# Altium PCB PCB1.PcbDoc
Units mil, origin at the board's own origin, x right, y up, seen from the top; angles counter-clockwise.
Board outline 6000 x 4000 mil, 2 copper layers (Top Layer, Bottom Layer); 8 components, 13 nets, 79 pads, 18 vias.
Unrouted connection lines stored in the file: 6.
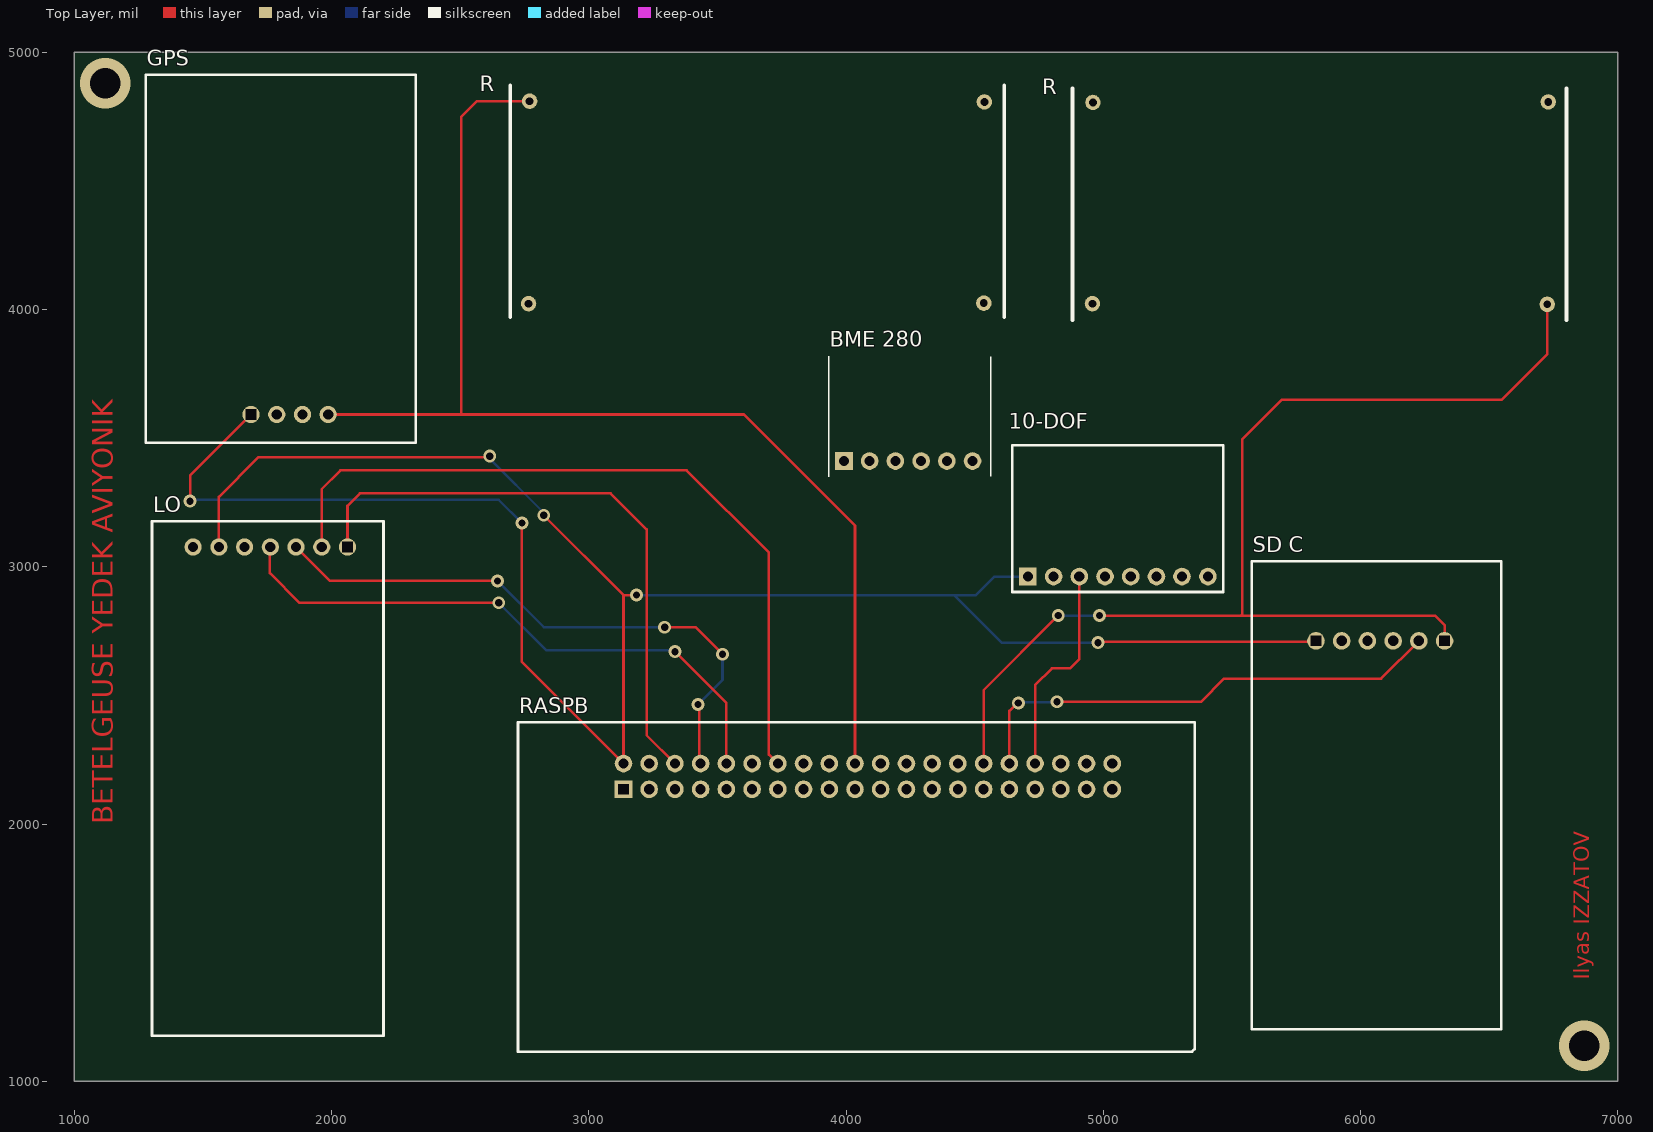
[diagram p0: Top Layer view]
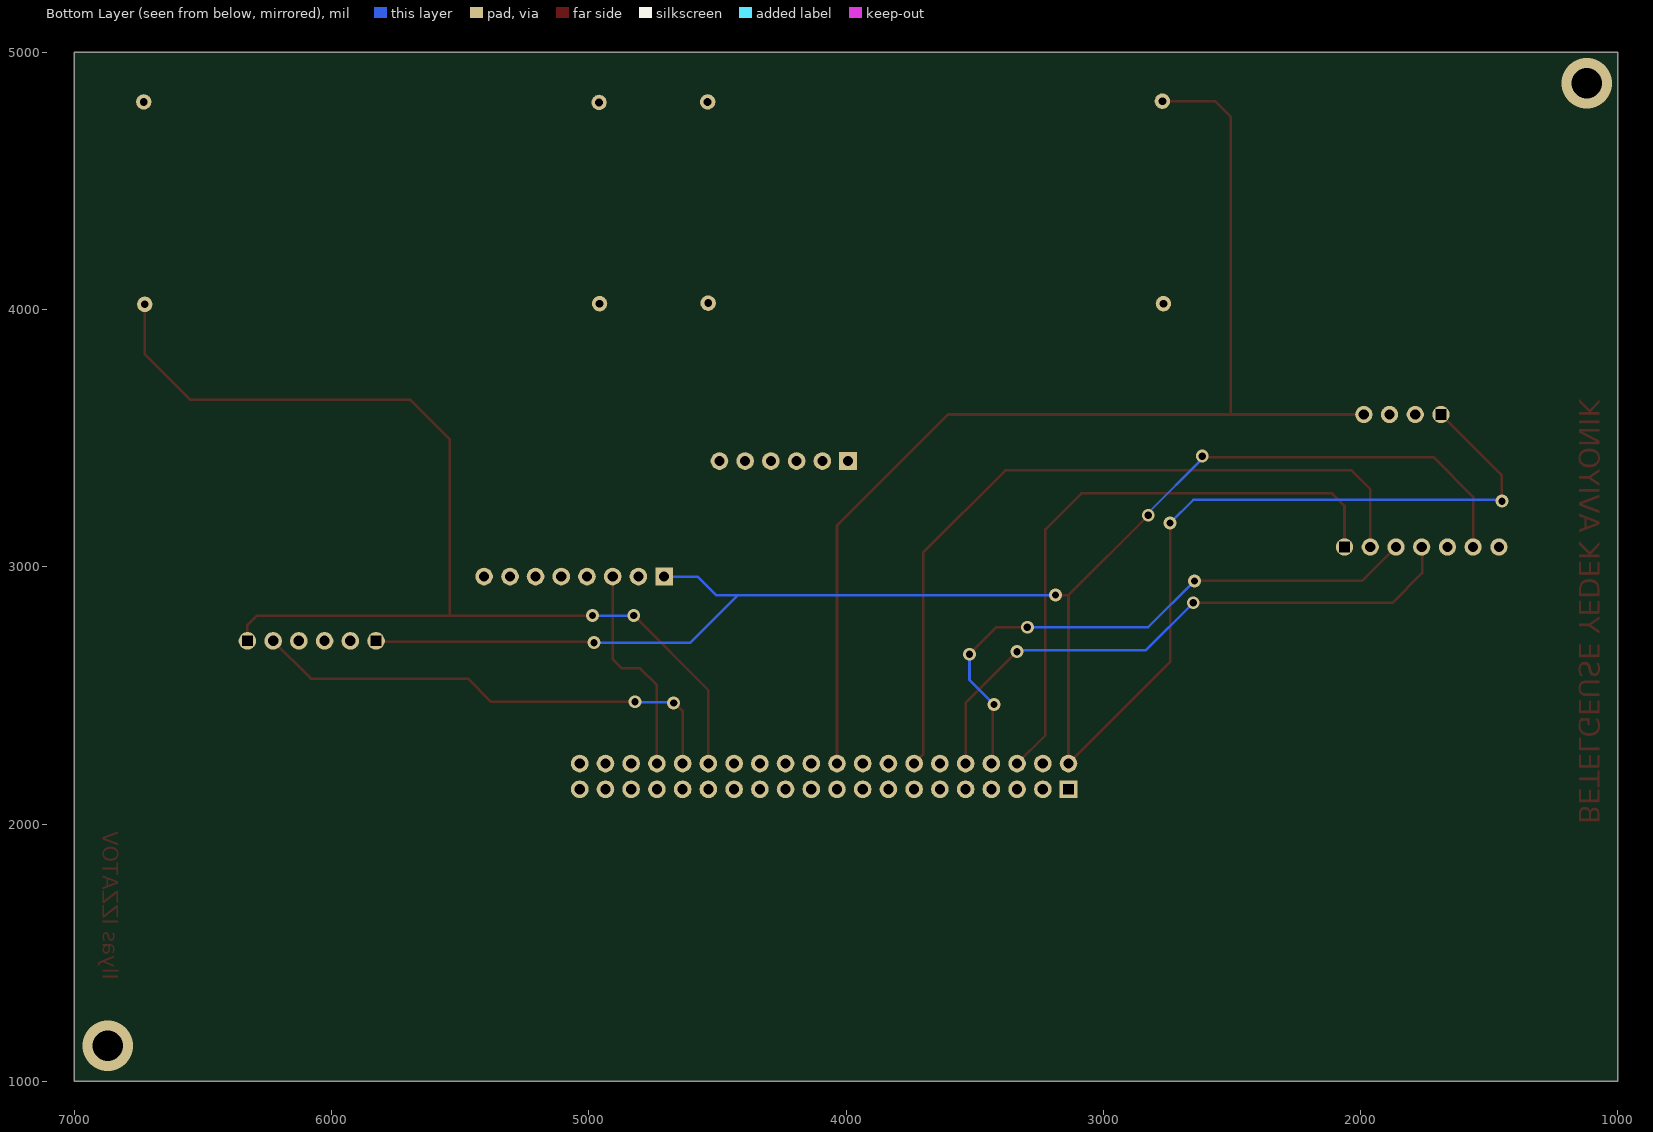
[diagram p1: Bottom Layer view, seen from below]

## Layer stack, top to bottom
Top Solder: solder mask 0.4, Solder Resist, Dk 3.5
Top Layer: signal copper 1.4
Dielectric 1: dielectric 12.6, FR-4, Dk 4.8
Bottom Layer: signal copper 1.4
Bottom Solder: solder mask 0.4, Solder Resist, Dk 3.5

## Board outline
1000,1000 7000,1000 7000,5000 1000,5000

## Design rules (kind name [scope] priority, off if disabled: settings)
Clearance Clearance_1 [All] p1: gap=10 ignorepadtopadclearanceinfootprint=FALSE except(0: Arc-Hole Track-Hole SMDPad-Hole THPad-Hole Via-Hole Fill-Hole Poly-Hole Region-Hole Text-Hole)
Clearance [All] p2: gap=10 ignorepadtopadclearanceinfootprint=FALSE except(0: Arc-Hole Track-Hole SMDPad-Hole THPad-Hole Via-Hole Fill-Hole Poly-Hole Region-Hole Text-Hole)
PolygonConnect [All] p1: connectstyle=Relief reliefconductorwidth=10 reliefentries=4 polygonreliefangle="90 Angle" airgapwidth=10
RoutingVias [All] p1: holewidth=28 width=50 viastyle="Through Hole" minholewidth=28 minwidth=50 maxholewidth=28 maxwidth=50
SolderMaskExpansion [All] p1: expansion=4 istentingtop=FALSE
Width [All] p1: maxlimit=10 minlimit=10 preferedwidth=10
30 further rules are at their usual default settings.

## Classes and differential pairs
component class Sheet1: 10-DOF GPS LO R "SD C"

## Components (designator, comment, footprint, x,y, rotation, side; value= is the part's Value field where it differs from the comment)
10-DOF "10-DOF IMU" "10-DOF IMU" 5047,3232 r0 top
"BME 280" "BME 280" "BME 280" 4220,3580 r90 top (schematic designator U4)
GPS "GPS" GPS 2147,3752 r90 top
LO "Lora SX1278" "Lora SX1278" 1942,2987 r270 top
R "Regulatör" "5V REGULATOR LM2596" 7361,4879 r180 top
R "Regulatör" "5V REGULATOR LM2596" 2135,3951 r0 top
RASPB "Raspberry Pi Zero" "Raspberry Pi Zero" 3105,2075 r0 top
"SD C" "SD CARD" "SD CARD" 6097,2882 r270 top

## Footprints (in the part's own frame and the unit in brackets; to place one, negate y for a bottom-side part, rotate by r counter-clockwise, add the part's x,y. Pads: shape width x height; smd on the part's side, far side on the other; paste and mask are expansions set on the pad)
"5V REGULATOR LM2596" [mil]
  round 60 hole 30: 3(635,859) 4(631,72) 5(2403,856) 6(2401,74)
  silkscreen extent 560,20 2480,920, body extent 574,13 2464,919, height 465
"10-DOF IMU" [mm]
  rect 1.74x1.74 hole 1: 1(-8.636,-6.858)
  round 1.74 hole 1: 2(-6.096,-6.858) 3(-3.556,-6.858) 4(-1.016,-6.858) 5(1.524,-6.858) 6(4.064,-6.858) 7(6.579,-6.858) 8(9.144,-6.858)
  silkscreen extent -10.16,-8.38 10.67,6.1, body extent -9.91,-8.13 10.41,5.77, height 6.35
"BME 280" [mm]
  rect 1.74x1.74 hole 1: 1(-4.293,5.791)
  round 1.74 hole 1: 2(-4.293,3.251) 3(-4.293,0.711) 4(-4.293,-1.829) 5(-4.293,-4.369) 6(-4.293,-6.909)
  silkscreen extent -5.84,-8.71 6.05,7.32, body extent -5.59,-8.33 5.91,7.01, height 5.85
GPS [mm]
  round 1.7 hole 1 square: 1(-4.064,11.684)
  round 1.7 hole 1: 2(-4.064,9.144) 3(-4.064,6.604) 4(-4.064,4.064)
  silkscreen extent -6.86,-4.57 29.46,22.1, body extent -5.84,-4.97 29.56,21.23, height 8.29
"Lora SX1278" [mm]
  round 1.7 hole 1 square: 1(-2.286,3.048)
  round 1.7 hole 1: 2(-2.286,0.508) 3(-2.286,-2.032) 4(-2.286,-4.572) 5(-2.286,-7.112) 6(-2.286,-9.652) 7(-2.286,-12.192)
  silkscreen extent -4.83,-16.26 45.97,6.6, body extent -3.86,-15.09 44.64,5.91, height 8.67
"Raspberry Pi Zero" [mm]
  rect 1.74x1.74 hole 1 square: 1(0.762,1.524)
  round 1.74 hole 1: 2(0.762,4.064) 3(3.302,1.524) 4(3.302,4.064) 5(5.842,1.524) 6(5.842,4.064) 7(8.382,1.524) 8(8.382,4.064) 9(10.922,1.524) 10(10.922,4.064) 11(13.462,1.524) 12(13.462,4.064) 13(16.002,1.524) 14(16.002,4.064) 15(18.542,1.524) 16(18.542,4.064) 17(21.082,1.524) 18(21.082,4.064) 19(23.622,1.524) 20(23.622,4.064) 21(26.162,1.524) 22(26.162,4.064) 23(28.702,1.524) 24(28.702,4.064) 25(31.242,1.524) 26(31.242,4.064) 27(33.782,1.524) 28(33.782,4.064) 29(36.322,1.524) 30(36.322,4.064) 31(38.862,1.524) 32(38.862,4.064) 33(41.402,1.524) 34(41.402,4.064) 35(43.942,1.524) 36(43.942,4.064) 37(46.482,1.524) 38(46.482,4.064) 39(49.022,1.524) 40(49.022,4.064)
  silkscreen extent -9.65,-24.38 57.15,8.13, body extent -7.61,-24.88 57.39,6.35, height 3.34
"SD CARD" [mm]
  round 1.74 hole 1.01 square: 1(4.318,-6.858) 6(4.318,5.842)
  round 1.74 hole 1.01: 2(4.318,-4.318) 3(4.318,-1.778) 4(4.318,0.762) 5(4.318,3.302)
  silkscreen extent -3.56,-13.21 42.67,11.43, body extent -2.79,-12.51 42.94,11.49, height 5.59

## Part data
"BME 280": "Bme 280 sensörü"

## Via types
v1: diameter 50, hole 28, Top Layer to Bottom Layer, 16 vias
v2: diameter 196.85, hole 118.11, Top Layer to Bottom Layer, 2 vias

## Nets (pads, with @x,y where several pads share a name; then routed paths per layer and width w, separated by ;. In a path a pad name is that pad's centre, name@x,y a point inside that pad or via, vN(x,y) a via of type N, cw(c..) or ccw(c..) an arc to the next point about the centre after c; other vN are vias at no path point)
5V: 10-DOF.1 "SD C.1" GPS.1 LO.6 RASPB.2 RASPB.4 | length 8675.3
  Top Layer w10: v1(1450,3255) 1450,3355 GPS.1 ; LO.6 1562,3272 1715,3425 2610,3425 v1(2615,3430) ; v1(2740,3170) 2740,2630 RASPB.2 3135,2890 ; v1(2825,3200) 3135,2890 ; v1(3185,2890) 3135,2890 ; v1(4980,2705) 4983.5,2708.5 5823.5,2708.5 5827,2712
  Bottom Layer w10: v1(1450,3255) 1455,3260 2650,3260 v1(2740,3170) ; v1(2615,3430) 2615,3420 2825,3210 v1(2825,3200) ; v1(3185,2890) 4420,2890 ; 10-DOF.1 4577,2962 4505,2890 4420,2890 ; v1(4980,2705) 4605,2705 4420,2890
GND: 10-DOF.3 "SD C.6" GPS.4 LO.1 LO.2 LO.7 R.3 RASPB.6 RASPB.14 RASPB.20 RASPB.30 RASPB.34 | length 15233.4
  Top Layer w10: LO.2 1962,3302 2035,3375 3380,3375 3700,3055 3700,2270 RASPB.14 ; GPS.4 2505,3592 ; LO.1 2062,3237 2110,3285 3085,3285 3225,3145 3225,2345 RASPB.6 ; R.3@2770,4810 2565,4810 2505,4750 2505,3592 ; RASPB.20 4035,3160 3603,3592 2505,3592 ; RASPB.30 4535,2520 v1(4825,2810) ; RASPB.34 4735,2540 4800,2605 4870,2605 4907,2642 10-DOF.3 ; v1(4985,2810) 5535,2810 ; 6327,2712 6327,2773 6290,2810 5535,2810 ; R.3@6726,4020 6726,3826 6550,3650 5695,3650 5540,3495 5540,2815 5535,2810
  Bottom Layer w10: v1(4825,2810) v1(4985,2810)
Net10-DOF_4: 10-DOF.4
Net10-DOF_5: 10-DOF.5
NetLO_3: LO.3 RASPB.8 | length 2299.2
  Top Layer w10: LO.3 1994,2945 v1(2645,2945) ; v1(3295,2765) 3415,2765 v1(3520,2660) ; v1(3425,2465) 3430,2460 3430,2240 RASPB.8
  Bottom Layer w10: v1(2645,2945) 2825,2765 v1(3295,2765) ; v1(3425,2465) 3520,2560 v1(3520,2660)
NetLO_4: LO.4 RASPB.10 | length 2322
  Top Layer w10: LO.4 1760,3075 1760,2975 1875,2860 v1(2650,2860) ; v1(3335,2670) 3535,2470 RASPB.10
  Bottom Layer w10: v1(2650,2860) 2835,2675 3330,2675 v1(3335,2670)
NetRASPB_24: RASPB.24
NetRASPB_26: RASPB.26
NetRASPB_32: "SD C.5" RASPB.32 | length 1909.7
  Top Layer w10: RASPB.32 4635,2440 4665,2470 v1(4670,2470) ; v1(4820,2475) 5380,2475 5470,2565 6080,2565 6227,2712
  Bottom Layer w10: v1(4670,2470) 4672.5,2472.5 4817.5,2472.5 v1(4820,2475)
NetRASPB_36: RASPB.36
"NetSD C_2": "SD C.2"
"NetSD C_3": "SD C.3"
"NetSD C_4": "SD C.4"
pads on no net: 10-DOF.2 10-DOF.6 10-DOF.7 10-DOF.8 "BME 280.1" "BME 280.2" "BME 280.3" "BME 280.4" "BME 280.5" "BME 280.6" GPS.2 GPS.3 LO.5 R.4 R.5 R.6 RASPB.1 RASPB.3 RASPB.5 RASPB.7 RASPB.9 RASPB.11 RASPB.12 RASPB.13 RASPB.15 RASPB.16 RASPB.17 RASPB.18 RASPB.19 RASPB.21 RASPB.22 RASPB.23 RASPB.25 RASPB.27 RASPB.28 RASPB.29 RASPB.31 RASPB.33 RASPB.35 RASPB.37 RASPB.38 RASPB.39 RASPB.40
copper on no net:
  other v2: 6869.55,1137.3 1120,4880

## Other copper
Top Layer:
  text "BETELGEUSE YEDEK AVIYONIK" at 1150,2000 h80 r90
  text "Ilyas IZZATOV" at 6890.01,1395 h60 r90